# KiCad board Claculator_Display.kicad_pcb (continued)
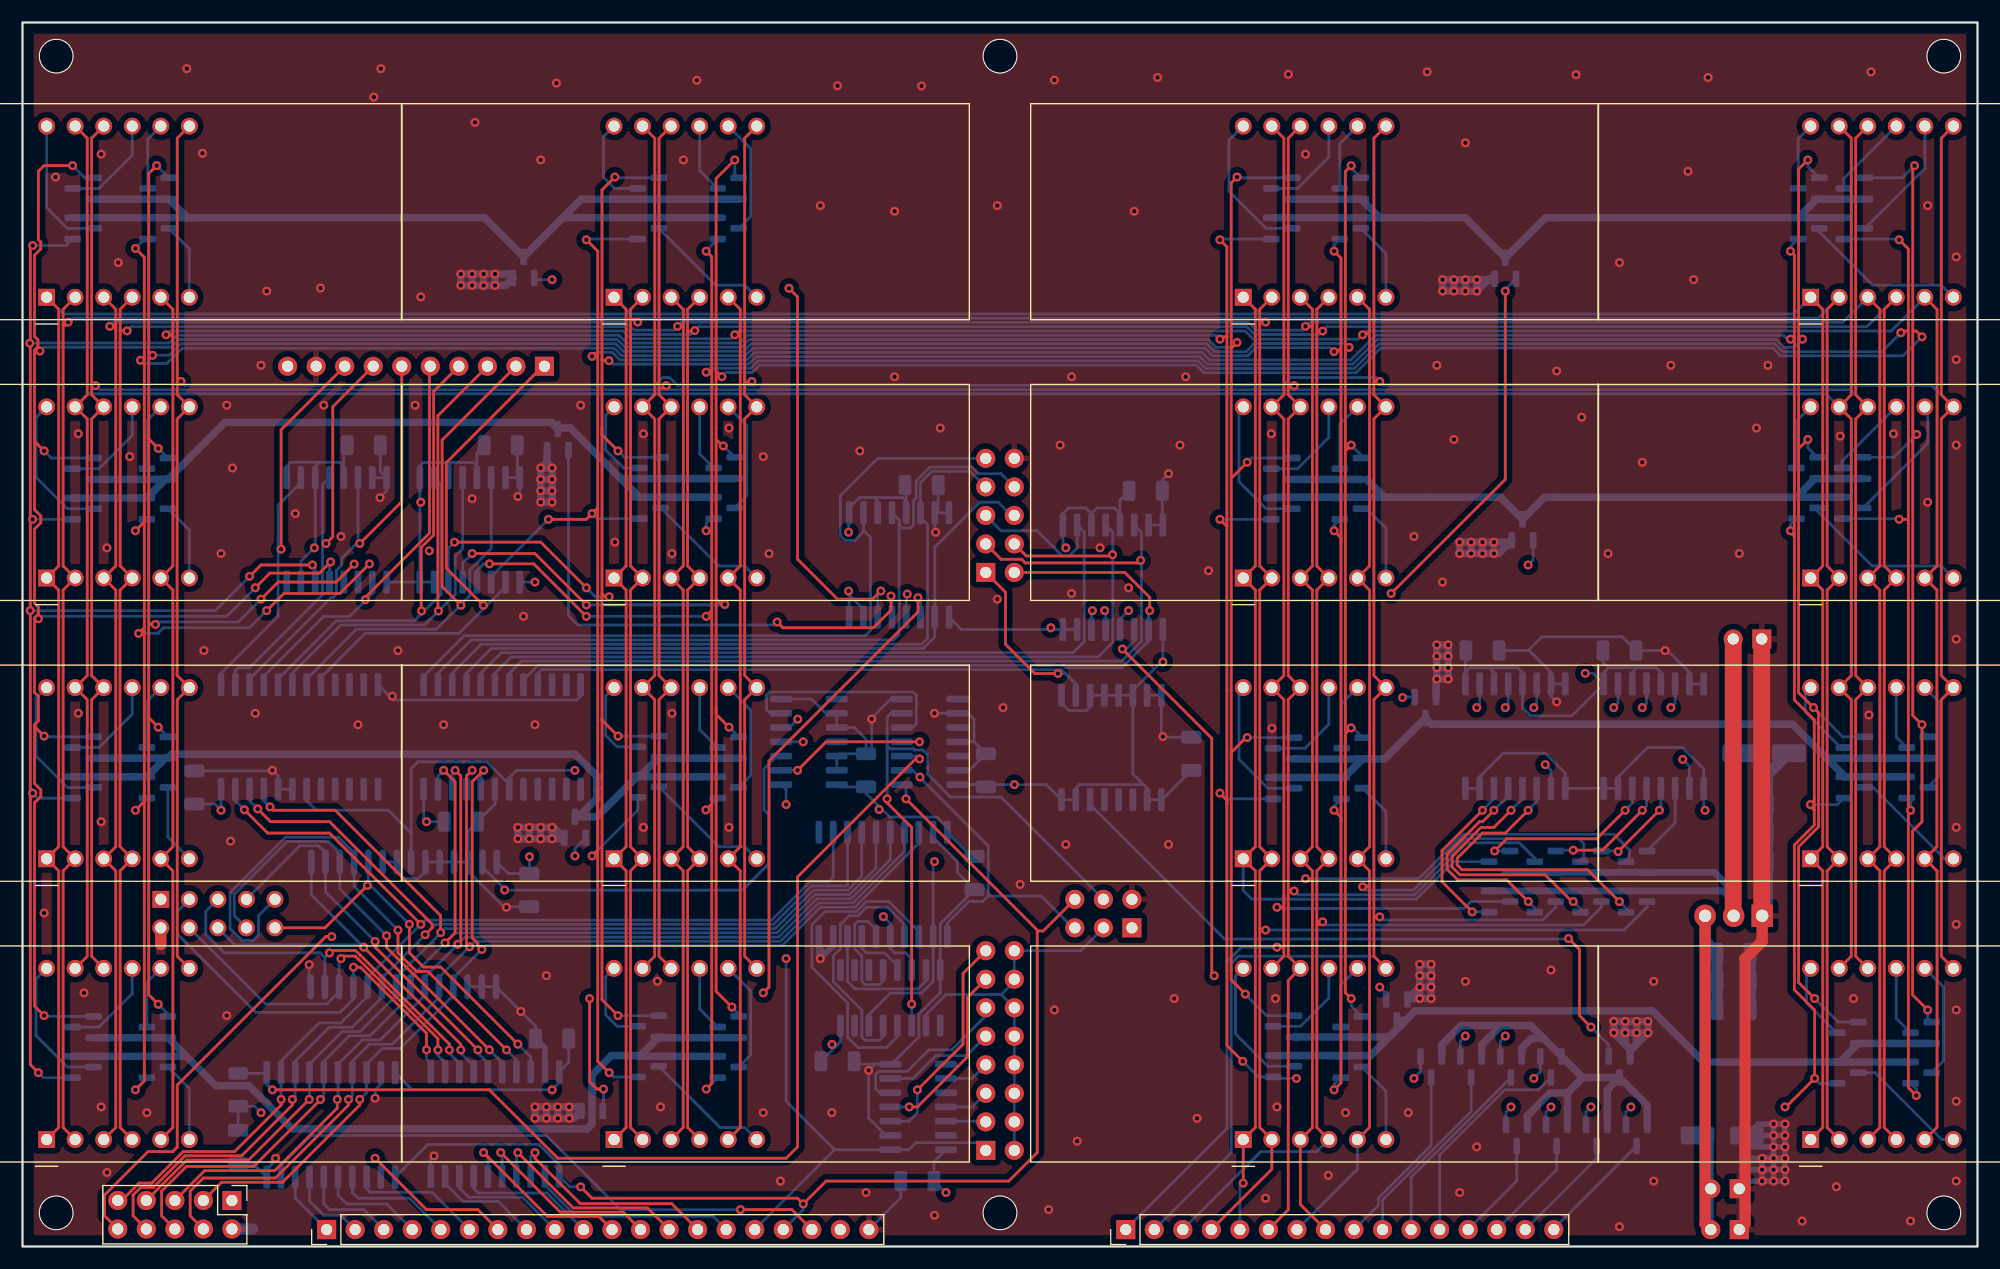
[diagram p0: board, top side]
## Nets (continued)
Net-(Q46-D): Q46.1 U25.6
Net-(Q47-D): Q47.1 U24.8
Net-(Q48-D): Q48.1 U25.8
Net-(Q49-D): Q49.1 U24.9
Net-(Q50-D): Q50.1 U25.9
Net-(Q51-D): Q51.1 U24.12
Net-(Q52-D): Q52.1 U25.12
Net-(Q54-D): Q54.1 U26.6
Net-(Q54-S): Q54.3 Q55.3 Q56.3 Q57.3 Q58.3 Q59.3 Q60.3 Q61.3 Q62.1
Net-(Q55-D): Q55.1 U27.6
Net-(Q56-D): Q56.1 U26.8
Net-(Q57-D): Q57.1 U27.8
Net-(Q58-D): Q58.1 U26.9
Net-(Q59-D): Q59.1 U27.9
Net-(Q60-D): Q60.1 U26.12
Net-(Q61-D): Q61.1 U27.12
Net-(Q63-D): Q63.1 U28.6
Net-(Q63-S): Q63.3 Q64.3 Q65.3 Q66.3 Q67.3 Q68.3 Q69.3 Q70.3 Q71.1
Net-(Q64-D): Q64.1 U29.6
Net-(Q65-D): Q65.1 U28.8
Net-(Q66-D): Q66.1 U29.8
Net-(Q67-D): Q67.1 U28.9
Net-(Q68-D): Q68.1 U29.9
Net-(Q69-D): Q69.1 U28.12
Net-(Q70-D): Q70.1 U29.12
Net-(Q72-D): Q72.1 U30.6
Net-(Q72-S): Q72.3 Q73.3 Q74.3 Q75.3 Q76.3 Q77.3 Q78.3 Q79.3 Q80.1
Net-(Q73-D): Q73.1 U31.6
Net-(Q74-D): Q74.1 U30.8
Net-(Q75-D): Q75.1 U31.8
Net-(Q76-D): Q76.1 U30.9
Net-(Q77-D): Q77.1 U31.9
Net-(Q78-D): Q78.1 U30.12
Net-(Q79-D): Q79.1 U31.12
Net-(Q81-S): Q81.3 Q82.3 Q83.3 Q84.3 Q85.3 Q86.3 Q87.3 Q88.3 Q89.1
Net-(U1-Y7): R1.1 U1.11 U3.3
Net-(U3-Pad4): U3.4 U4.2
Net-(U3-Pad5): U3.5 U4.6
Net-(U6-A0): U4.4 U6.2 U7.14
Net-(U6-A1): U6.3 U7.12
Net-(U6-A2): U6.4 U7.13
Net-(U6-A3): U4.5 U6.5 U7.6
Net-(U6-A4): U6.6 U7.4
Net-(U6-A5): U6.7 U7.5
Net-(U6-A6): U6.8 U7.7
Net-(U8-Q0): J1.3 U8.12
Net-(U8-Q1): J1.5 U8.11
Net-(U8-Q2): J1.7 U8.9
Net-(U8-Q3): J1.9 U8.6
Net-(U8-Q4): J1.11 U8.5
Net-(U8-Q5): J1.13 U8.4
Net-(U8-Q6): J1.15 U8.3

Pads without a net: U3 8 10 12; U4 8 11; U6 11; U7 1 2 3 9 15; U8 8 10 13; U9 9 10 11 13 14 15 16 17; U10 10 11 13 14 15 16 17; U36 11 12 13

## Via types
v1: diameter 0.8, hole 0.4, Top to Bottom, 532 vias

## Routing (per net, layer and track width the routed paths; a pad name or vN(x,y) marks a point on that pad's centre or on a via; arc(x,y) is an arc through that point)
+3.3V: length 84.2
  Top w0.25: 152.25,29.49 U11.2
  Top w1.5: 152.25,54.1 152.25,29.49
  Bottom w0.25: 152.23,31.67 152.29,31.74 ; 152.23,33.33 152.29,33.26
  Bottom w0.6: 150.77,31.67 152.23,31.67 150.57,33.33 Q5.3 Q8.3 ; 150.77,31.67 Q1.3 ; 150.77,31.67 151.34,31.67 152.29,30.72
  Bottom w1: 152.29,32.75 U11.2 ; 152.29,32.75 152.29,33.26 ; 152.29,32.75 152.34,32.8 C4.1 152.34,43.47 C25.1
+5V: length 356.8
  Top w1: 150.25,1.51 149.75,2.01 U11.3
  In2.Cu w0.25: v1(45.13,34.71) 39.08,34.71 v1(35.96,37.83) 18.69,37.83 v1(17.67,38.85)
  In2.Cu w1: J3.1 20.52,4.1 ; J4.19 72.79,3.1 72.79,3.1 ; J2.1 12.31,32.39
  Bottom w0.25: 143.7,51.55 141.16,51.55 ; 143.7,51.55 145.39,51.55 145.81,51.13 U15.5 ; 143.7,51.55 143.27,51.13 U15.3 ; 141.16,51.55 140.66,52.05 C18.1 ; 141.16,51.55 140.73,51.13 140.73,50.1 ; 130.45,51.55 128.84,51.55 128.42,51.13 U14.1 128.42,53.02 C17.1 ; 130.45,51.55 130.53,51.55 130.96,51.13 U14.3 ; 130.45,51.55 133.07,51.55 133.5,51.13 U14.5 133.5,47.98 134.21,47.27 137.9,47.27 140.73,50.1 ; 75.02,66.69 74.49,66.69 73.58,65.77 U34.1 73.52,65.29 v1(73.52,63.6) ; 75.02,66.69 75.79,66.69 76.11,66.37 U34.3 ; 75.02,66.69 78.33,66.69 78.65,66.37 U34.5 78.65,67.69 C19.1 ; 38.23,69.82 37.9,69.49 U17.3 ; 38.23,69.82 35.69,69.82 35.36,69.49 U17.1 35.36,66.37 v1(35.45,66.28) 35.36,66.19 U17.16 ; 38.23,69.82 40.12,69.82 40.44,69.49 U17.5 40.44,70.71 41.09,71.36 ; C8.1 17.11,39.41 v1(17.67,38.85) U9.24 ; 99.77,41.14 98.83,42.08 U36.6 ; 99.77,41.14 94.07,41.14 93.74,40.81 U36.15 U36.16 91.13,41.13 v1(88.28,41.13) U3.14 85.54,41.13 85.74,40.93 ; 99.77,41.14 100.09,40.81 U36.10 U36.9 101.41,39.79 C21.1 ; C20.1 97.68,66.48 U35.5 97.68,65.27 97.18,65.77 95.64,65.77 95.14,65.27 ; 73.52,58.08 74.57,57.03 ; 73.52,58.08 73.58,58.03 U34.16 ; 73.52,58.08 v1(73.52,58.37) ; U36.6 98.83,49.52 101.36,52.06 v1(101.49,52.06) U35.9 ; U36.6 U36.3 95.02,48.06 94.69,47.74 93.11,47.74 92.48,48.37 U36.1 ; U8.14 81.12,7.56 81.12,5.83 82.14,4.81 v1(82.19,4.81) ; U14.16 U14.15 129.69,41.83 131.79,43.93 135.54,43.93 137.31,42.16 U14.9 U15.15 142,41.83 143.6,43.42 143.66,43.42 143.66,43.48 144.61,44.44 147.73,44.44 149.62,42.54 U15.9 149.62,38.97 v1(149.75,38.85) ; v1(21.23,11.92) 20.66,12.49 R1.2 C11.1 ; U35.15 U35.16 91.67,54.95 v1(91.52,55.1) 91.37,54.95 83.56,54.95 U34.9 ; 72.56,18 C15.1 ; 72.56,18 72.79,18.22 U7.16 ; 72.56,18 v1(72.05,18) ; 84.73,34.73 84.47,34.73 U6.20 82.31,37.32 81.4,38.24 77.19,38.24 76.52,38.91 v1(76.24,38.91) 76.24,39.19 75.08,40.35 75.08,40.93 72.68,40.93 U4.14 ; U1.20 34.69,13.96 v1(47.14,13.96) 47.77,14.59 U2.20 48.61,16.4 C10.1 ; 140.73,50.1 139.8,51.04 v1(139.08,51.04) ; 26.4,69.84 26.05,69.49 U16.3 26.06,68.46 26.06,62.3 v1(25.97,62.22) 24.78,61.03 U16.15 U16.16 ; 26.4,69.84 28.25,69.84 28.59,69.49 U16.5 28.59,71.06 C22.1 ; 26.4,69.84 23.86,69.84 23.51,69.49 U16.1 ; v1(45.61,59.17) U17.9 ; 95.14,65.27 94.64,65.77 93.1,65.77 92.6,65.27 U35.1 92.6,62.47 v1(92.86,62.22) ; 95.14,65.27 U35.3 ; C7.1 v1(35.96,37.83) 35.71,38.09 U10.24 35.71,39.66 ; U17.16 U16.9 ; U17.16 U17.15 ; 149.43,9.54 C24.1 ; v1(45.13,34.71) 45.13,33.23 45.1,33.21 43.24,33.21 U5.28
  Bottom w1: 150.25,1.51 150.02,1.75 150.02,8.95 149.43,9.54 ; U11.3 149.75,27.21 C1.1 C3.1
GND: length 467.8
  Top w0.25: 154.79,29.49 U11.1
  Top w1: U11.1 154.83,27.16 153.31,25.64 153.31,2.02 J5.1 ; J2.2 12.31,26.89
  Top w1.5: J11.1 154.79,29.49
  Bottom w0.25: 77.36,16.24 79.78,18.66 79.78,20.7 81.68,22.59 U7.8 81.68,28.74 C16.2 83.2,33.31 83.2,34.28 81.05,36.43 U6.19 ; 77.36,16.24 U8.7 75.87,16.24 v1(75.31,15.68) 75.31,11.44 76.86,9.89 U8.2 ; 77.36,16.24 74.27,16.24 C15.2 ; U34.7 81.2,63.68 v1(81.27,63.6) ; U34.7 U34.8 ; U34.7 81.49,65.64 C19.2 ; v1(44.09,66.79) 44.25,66.95 U17.8 ; U5.20 U5.21 33.32,33.41 33.98,32.75 35.2,32.75 35.86,33.41 U5.23 U5.26 ; U17.8 U17.7 ; U17.8 44.04,68.68 C23.2 ; v1(136.54,48.5) 136.04,49.01 U14.7 ; 134,53.07 135.23,54.3 142.38,54.3 C18.2 v1(146.2,53.07) 146.41,53.07 148.35,51.13 U15.7 U15.8 ; 134,53.07 134.09,53.07 136.04,51.13 U14.7 ; 134,53.07 131.42,53.07 ; U5.26 39.67,37.02 C7.2 42.06,39.41 U10.19 ; U5.26 39.67,33.41 42.83,30.26 43.02,30.26 v1(43.07,30.21) 43.12,30.26 C9.2 ; U16.8 31.85,69.02 C22.2 ; U16.8 U16.7 ; U16.8 32.4,67.3 31.9,66.79 ; v1(102,68.82) 101.44,68.26 C20.2 101.44,64.3 U35.8 ; U14.7 U14.8 ; U3.7 77.28,48.75 75.58,47.06 v1(75.58,46.98) 75.58,44.39 C13.2 ; C8.2 22.2,42.35 v1(22.24,42.4) 22.75,41.9 U9.20 U9.19 ; J4.20 78.17,4.35 C14.2 ; 84.68,44.94 84.68,46.98 84.18,47.48 U3.9 v1(81.17,47.48) ; 84.68,44.94 C12.2 84.27,42.4 U3.13 ; 84.68,44.94 U3.11 ; C13.2 72.68,43.88 U4.12 U4.13 ; C13.2 75.08,45.16 74.02,46.21 U4.10 U4.9 71.5,47.48 70.23,48.75 U4.7 ; 45.66,18.53 45.66,19.63 v1(44.36,20.94) U5.1 U5.3 ; U11.1 155.09,29.45 155.34,29.7 155.29,29.75 ; v1(25.52,25.1) 25.52,23.26 U5.14 ; U1.19 31.9,14.46 31.39,13.95 v1(31.39,13.21) ; U2.10 36.34,7.79 v1(36.62,8.07) ; 153.31,9.72 C24.2 ; 101.56,64.18 U35.8 ; U35.8 U35.7 ; 154.78,27.16 154.83,27.16 ; v1(22.52,7.86) 22.52,7.63 21.74,6.84 U1.10 20.52,7.4 19.2,7.4 ; U36.7 U36.8 101.36,45.58 101.59,45.35 C21.2 ; U9.12 32.66,49.01 v1(32.91,49.01) 32.91,48.75 32.99,48.67 49.35,48.67 49.68,49 U10.12 ; 70.89,25.77 v1(71.01,25.64)
  Bottom w0.5: v1(156.86,9.89) v1(156.86,10.91) v1(155.85,10.91) ; v1(156.86,9.89) v1(156.86,8.88) ; v1(156.86,9.89) v1(155.85,9.89) ; v1(155.85,9.89) C24.2 154.49,10.91 v1(155.85,10.91) ; v1(155.85,9.89) v1(155.85,10.91) ; v1(155.85,9.89) v1(155.85,8.88) ; 70.89,26.6 71.36,26.12 71.5,26.12 ; 70.89,26.6 U6.10 ; 70.89,26.6 70.89,25.77 ; v1(155.85,7.86) v1(154.83,7.86) ; v1(155.85,7.86) v1(156.86,7.86) ; v1(155.85,7.86) v1(155.85,8.88) ; v1(155.85,7.86) v1(155.85,6.84) ; v1(154.83,7.86) v1(154.83,6.84) ; v1(154.83,7.86) 153.31,7.86 ; v1(155.85,8.88) 153.31,8.88 ; v1(155.85,8.88) v1(156.86,8.88) ; v1(154.83,6.84) 153.31,6.84 ; v1(154.83,6.84) v1(154.83,5.83) ; v1(154.83,6.84) v1(155.85,6.84) ; 71.5,26.12 v1(71.01,25.64) ; 71.5,26.12 72.15,26.78 U6.9 ; v1(156.86,8.88) v1(156.86,7.86) ; v1(156.86,7.86) v1(156.86,6.84) ; v1(156.86,6.84) v1(156.86,5.83) v1(155.85,5.83) ; v1(156.86,6.84) v1(155.85,6.84) ; v1(155.85,6.84) v1(155.85,5.83) ; 45.66,18.53 46.5,17.69 U2.19 ; v1(155.85,5.83) v1(154.83,5.83) ; v1(154.83,5.83) 153.31,5.83
  Bottom w0.67: v1(47.14,68.31) v1(46.12,68.31) ; v1(47.14,68.31) v1(47.14,67.3) ; v1(47.14,68.31) v1(47.14,69.33) ; v1(46.12,68.31) v1(46.12,67.3) ; v1(46.12,68.31) v1(46.12,69.33) ; v1(129.43,85.08) v1(128.42,85.08) ; v1(129.43,85.08) 130.53,86.17 Q53.3 130.94,86.09 v1(129.43,86.09) ; v1(129.43,85.08) v1(129.43,86.09) ; v1(128.42,85.08) v1(127.4,85.08) ; v1(128.42,85.08) v1(128.42,86.09) ; v1(124.35,22.08) v1(124.35,23.1) ; v1(124.35,22.08) v1(125.37,22.08) v1(125.37,23.1) ; v1(124.35,22.08) 123.35,22.08 Q80.3 124.35,23.09 v1(124.35,23.1) ; v1(124.35,22.08) 124.29,22.02 ; v1(124.35,23.1) v1(125.37,23.1) ; v1(124.35,23.1) v1(124.35,24.12) ; v1(142.64,20.05) v1(141.62,20.05) v1(141.62,19.04) ; v1(142.64,20.05) v1(142.64,19.04) ; v1(142.64,20.05) v1(143.66,20.05) ; v1(41.04,86.6) v1(40.02,86.6) ; v1(41.04,86.6) v1(41.04,85.58) ; v1(41.04,86.6) v1(42.06,86.6) ; v1(40.02,86.6) v1(40.02,85.58) ; v1(40.02,86.6) v1(39.01,86.6) v1(39.01,85.58) v1(40.02,85.58) ; v1(144.67,19.04) v1(144.67,20.05) v1(143.66,20.05) ; v1(144.67,19.04) 143.4,17.77 ; v1(144.67,19.04) v1(143.66,19.04) ; v1(125.37,24.12) v1(125.37,23.1) ; v1(125.37,24.12) v1(124.35,24.12) ; v1(125.37,24.12) v1(125.37,25.13) v1(124.35,25.13) v1(124.35,24.12) ; v1(128.92,62.72) v1(127.91,62.72) v1(127.91,61.71) v1(128.92,61.71) ; v1(128.92,62.72) v1(128.92,61.71) ; v1(128.92,62.72) v1(129.94,62.72) ; 143.08,17.58 Q89.3 143.08,17.45 143.4,17.77 ; 143.08,17.58 v1(141.62,19.04) ; 143.08,17.58 142.64,18.02 v1(142.64,19.04) ; v1(126.89,51.55) v1(126.89,52.56) ; v1(126.89,51.55) v1(125.88,51.55) ; v1(126.89,51.55) v1(126.89,50.53) v1(125.88,50.53) ; v1(126.89,52.56) v1(126.89,53.58) v1(125.88,53.58) v1(125.88,52.56) ; v1(126.89,52.56) v1(125.88,52.56) ; v1(41.04,85.58) v1(42.06,85.58) ; v1(41.04,85.58) v1(40.02,85.58) ; v1(42.06,85.58) v1(42.06,86.6) ; v1(42.06,85.58) 42.98,85.58 Q18.3 43.3,86.6 v1(42.06,86.6) ; v1(142.64,19.04) v1(143.66,19.04) ; v1(142.64,19.04) v1(141.62,19.04) ; v1(143.66,19.04) v1(143.66,20.05) ; v1(143.66,19.04) 143.66,18.02 143.4,17.77 ; v1(47.64,12.43) v1(46.63,12.43) ; v1(47.64,12.43) v1(48.66,12.43) ; v1(47.64,12.43) v1(47.64,11.42) ; v1(46.63,12.43) v1(46.63,11.42) ; v1(46.63,12.43) v1(45.61,12.43) v1(45.61,11.42) v1(46.63,11.42) ; v1(125.88,50.53) v1(125.88,51.55) ; v1(125.88,50.53) 125.81,50.47 Q71.3 ; 46.69,69.9 46.69,69.77 v1(47.14,69.33) ; 46.69,69.9 Q26.3 ; 46.69,69.9 v1(46.12,69.33) ; v1(46.12,66.28) 46.12,66.79 ; v1(46.12,66.28) v1(46.12,67.3) ; v1(46.12,66.28) v1(47.14,66.28) v1(47.14,67.3) ; v1(46.12,36.31) v1(46.12,37.32) ; v1(46.12,36.31) v1(47.14,36.31) ; v1(46.12,36.31) v1(45.1,36.31) ; v1(128.42,86.09) v1(127.4,86.09) ; v1(128.42,86.09) v1(129.43,86.09) ; v1(127.4,86.09) v1(127.4,85.08) ; v1(127.4,86.09) v1(126.38,86.09) v1(126.38,85.08) ; 126.89,85.08 v1(126.38,85.08) ; v1(126.38,85.08) v1(127.4,85.08) ; v1(129.94,61.71) v1(130.96,61.71) ; v1(129.94,61.71) v1(128.92,61.71) ; v1(129.94,61.71) v1(129.94,62.72) ; v1(125.88,51.55) v1(125.88,52.56) ; v1(47.14,67.3) v1(46.12,67.3) ; v1(45.1,37.32) v1(45.1,36.31) ; v1(45.1,36.31) v1(44.09,36.31) v1(44.09,37.32) v1(47.14,37.32) ; v1(130.96,61.71) 131.37,61.71 Q62.3 132.39,62.72 v1(130.96,62.72) ; v1(130.96,61.71) v1(130.96,62.72) ; v1(48.66,12.43) v1(48.66,11.42) ; v1(48.66,12.43) 49.39,12.43 Q44.3 49.08,11.42 v1(48.66,11.42) ; v1(48.66,11.42) v1(47.64,11.42) ; v1(47.64,11.42) v1(46.63,11.42) ; v1(130.96,62.72) v1(129.94,62.72) ; v1(47.14,36.31) 48.14,36.31 Q35.3 47.28,37.32 v1(47.14,37.32) ; v1(47.14,36.31) v1(47.14,37.32) ; v1(47.14,69.33) v1(46.12,69.33)
  Bottom w1: 153.31,9.72 153.31,2.02 J5.1 ; 154.83,27.16 U11.1 ; C3.2 C1.2 154.78,27.16 ; C25.2 155.29,42.02 C4.2 155.29,29.75 ; J3.2 20.48,1.56
  vias: v1(1.92,29.7) v1(2.94,95.24) v1(4.97,72.38) v1(4.97,47.48) v1(5.48,22.59) v1(7,97.27) v1(7,37.83) v1(7,12.43) v1(7.51,62.22) v1(7.52,6.6) v1(8.53,87.62) v1(9.54,70.34) v1(11.07,11.92) v1(14.62,104.89) v1(16.02,97.35) v1(16.15,53.07) v1(17.67,61.71) v1(18.18,74.92) v1(18.18,20.56) v1(18.52,36.1) v1(18.69,69.33) v1(20.72,47.48) v1(21.23,78.47) v1(21.74,85.08) v1(24.28,65.26) v1(26.52,85.35) v1(26.82,74.92) v1(28.34,63.23) v1(29.86,46.47) v1(31.27,102.35) v1(31.83,66.68) v1(31.9,104.89) v1(33.42,53.07) v1(34.94,74.92) v1(35.45,84.57) v1(36.21,61.95) v1(37.48,46.47) v1(40.02,66.6) v1(40.27,100.1) v1(44.6,56.12) v1(45.61,46.47) v1(46.12,96.76) v1(46.63,24.12) v1(47.52,103.6) v1(49.68,74.92) v1(52.72,62.72) v1(55.26,72.38) v1(55.26,37.32) v1(56.51,23.63) v1(56.79,12.43) v1(57.8,61.71) v1(57.8,47.48) v1(58.82,96.76) v1(60.02,103.85) v1(62.88,72.88) v1(62.88,37.32) v1(65.93,70.34) v1(65.93,11.92) v1(66.44,61.71) v1(67.46,5.83) v1(71.01,92.7) v1(72.03,11.92) v1(72.54,103.36) v1(74.52,70.85) v1(75.08,4.81) v1(77.62,92.19) v1(77.62,77.46) v1(80.02,103.35) v1(81.17,2.78) v1(81.68,72.88) v1(86.76,92.7) v1(86.76,57.64) v1(87.27,47.99) v1(88.79,32.24) v1(91.33,3.29) v1(91.84,103.87) v1(91.84,21.07) v1(92.35,71.36) v1(92.86,35.8) v1(93.36,77.46) v1(93.36,58.15) v1(93.87,9.38) v1(95.9,62.22) v1(98.44,58.66) v1(98.95,92.19) v1(101.02,104.1) v1(101.5,45.41) v1(102,35.8) v1(102.51,22.08) v1(103.02,71.36) v1(103.52,77.46) v1(104.54,11.42) v1(105.56,60.18) v1(110.64,4.3) v1(111.14,72.38) v1(111.2,46.15) v1(111.51,22.09) v1(111.65,12.43) v1(112.67,104.38) v1(114.19,97.27) v1(116.22,6.34) v1(117.75,11.92) v1(123.34,11.92) v1(123.84,63.23) v1(125.02,104.6) v1(125.88,78.47) v1(126.38,59.17) v1(127.4,71.87) v1(127.91,4.81) v1(128.42,98.28) v1(128.42,23.61) v1(129.43,8.88) v1(136.04,24.62) v1(136.54,77.96) v1(138.27,104.35) v1(138.77,73.85) v1(141.12,61.71) v1(142.13,87.62) v1(142.13,1.76) v1(144.16,69.84) v1(145.18,23.61) v1(145.18,5.83) v1(146.7,78.47) v1(148.23,95.74) v1(148.74,86.09) v1(150.02,104.1) v1(152.8,61.71) v1(154.32,72.88) v1(155.34,78.47) v1(158.39,2.27) v1(161.44,5.32) v1(161.78,72.16) v1(162.96,22.08) v1(164.34,47.34) v1(164.52,104.6) v1(166.52,72.38) v1(168.04,2.27) v1(169.56,92.7) v1(169.56,66.28) v1(172.1,88.12) v1(172.1,78.98) v1(172.1,71.36) v1(172.1,54.09) v1(172.1,37.32) v1(172.1,28.69) v1(172.1,21.07) v1(172.1,12.94) v1(172.1,5.83)
/Displays/Display Module1/DISP_SEL: length 47.9
  Top w0.25: v1(67.16,55.61) 67.67,55.1 75.74,55.1 77.3,56.66 v1(77.3,57.92)
  Bottom w0.25: v1(67.16,55.61) 66.91,55.35 49.43,55.35 48.59,56.19 Q26.2 ; U34.13 77.39,57.83 v1(77.3,57.92)
/Displays/Display Module2/DISP_SEL: length 52.6
  In2.Cu w0.25: v1(49.17,34.78) 48.44,35.51 48.44,47.27 59.63,58.45 65.8,58.45 66.44,59.1 77.74,59.1 v1(78.74,58.1)
  Bottom w0.25: U34.12 78.65,58.01 v1(78.74,58.1) ; 50.2,36.31 Q35.2 49.17,35.44 v1(49.17,34.78)
/Displays/Display Module3/DISP_SEL: length 69.3
  Top w0.25: v1(51.71,14.02) 51.13,14.02 50.47,14.68 v1(50.47,22.08) ; v1(79.7,57.77) 79.7,56.51 66.44,43.25 66.44,23.1 v1(65.93,22.59)
  In2.Cu w0.25: v1(65.93,22.59) 50.99,22.59 v1(50.47,22.08)
  Bottom w0.25: v1(51.71,14.02) 51.71,12.15 Q44.2 ; U34.11 79.92,57.55 v1(79.7,57.77)
/Displays/Display Module4/DISP_SEL: length 61.6
  Top w0.25: v1(121.81,58.15) 131.97,68.31 v1(131.97,85.08)
  In2.Cu w0.25: v1(121.81,58.15) 121.35,57.69 96.29,57.69 v1(95.22,56.63)
  Bottom w0.25: v1(95.22,56.63) 95.14,56.55 U35.14 ; v1(131.97,85.08) 131.97,85.22 Q53.2
/Displays/Display Module5/DISP_SEL: length 43.5
  In2.Cu w0.25: v1(134,60.69) 130.67,57.35 97.04,57.35 v1(96.31,56.63)
  Bottom w0.25: U35.13 96.41,56.53 v1(96.31,56.63) ; Q62.2 134.45,61.13 v1(134,60.69)
/Displays/Display Module6/DISP_SEL: length 31
  In2.Cu w0.25: v1(98.44,56.63) 106.57,48.5 122.44,48.5 v1(122.83,48.89)
  Bottom w0.25: U35.12 97.68,55.87 v1(98.44,56.63) ; v1(122.83,48.89) 122.87,48.93 Q71.2
/Displays/Display Module7/DISP_SEL: length 51.3
  Top w0.25: v1(97.89,53.21) 105.85,45.25 105.85,24.33 v1(106.06,24.12)
  In2.Cu w0.25: v1(106.06,24.12) 106.97,23.21 120.69,23.21 v1(120.8,23.1)
  Bottom w0.25: Q80.2 121.37,22.53 v1(120.8,23.1) ; v1(97.89,53.21) 98.24,53.21 98.95,53.92 U35.11
/Displays/Display Module External/DISP_SEL: length 60.2
  Top w0.25: v1(137.6,27.43) 138.58,26.45 138.58,20.56 v1(139.59,19.54)
  Bottom w0.25: v1(139.59,19.54) 141.18,17.95 Q89.2 ; 137.34,27.38 137.36,27.38 137.56,27.4 v1(137.6,27.43) 137.32,27.38 106.99,27.38 95.02,39.35 U36.14
/Displays/Display Module/DISP_SEL: length 59.1
  Top w0.25: v1(76.39,58.38) 75.66,57.64 72.54,57.64 68.98,61.2 68.98,84.57 v1(68.22,85.33)
  In2.Cu w0.25: v1(68.22,85.33) 67.46,86.09 v1(47.14,86.09)
  Bottom w0.25: Q18.2 45.7,86.09 v1(47.14,86.09) ; v1(76.39,58.38) 76.11,58.1 U34.14
A0: length 5.8
  Bottom w0.25: J4.1 24.28,4.3 U1.8
A1: length 7.2
  Bottom w0.25: U1.7 25.55,4.05 26.82,2.78 28.34,2.78 J4.2
A2: length 8.7
  Bottom w0.25: U1.6 26.82,3.8 27.32,3.29 30.37,3.29 J4.3
A3: length 9.5
  Bottom w0.25: J4.4 32.4,3.8 28.85,3.8 28.09,4.56 U1.5
A4: length 10.6
  Bottom w0.25: U1.4 29.36,4.81 29.86,4.3 34.44,4.3 J4.5
A5: length 11.7
  Bottom w0.25: U1.3 30.63,5.16 30.95,4.83 36.45,4.83 J4.6
A6: length 15.4
  Top w0.25: J4.7 40.53,3.29 35.96,3.29 v1(31.39,7.86)
  Bottom w0.25: U1.2 31.9,7.35 v1(31.39,7.86)
CNTR_CLK: length 35.9
  Bottom w0.25: U7.10 80.41,20.65 82.2,22.44 87.1,22.44 ; 87.1,22.44 88.27,23.61 J1.16 94.17,26.34 J9.3 ; 87.1,22.44 J1.12 J1.2
D0: length 9.6
  Bottom w0.25: U2.9 37.61,5.62 39.22,4.01 42.35,4.01 J4.8
D1: length 11.1
  Bottom w0.25: U2.8 38.88,5.23 39.72,4.39 44.51,4.39 J4.9
D2: length 12.4
  Bottom w0.25: J4.10 46.67,4.77 40.58,4.77 40.15,5.19 U2.7
D3: length 16.5
  Top w0.25: v1(41.04,8.37) 46.72,2.69 51.3,2.69 J4.11
  Bottom w0.25: v1(41.04,8.37) 41.42,7.99 U2.6
D4: length 17.4
  Top w0.25: J4.12 53.46,3.06 47.87,3.06 v1(42.56,8.37)
  Bottom w0.25: v1(42.56,8.37) 42.69,8.24 U2.5
D5: length 18.5
  Top w0.25: J4.13 55.62,3.44 49.02,3.44 v1(44.09,8.37)
  Bottom w0.25: v1(44.09,8.37) 43.96,8.24 U2.4
D6: length 19.9
  Top w0.25: J4.14 57.78,3.82 49.66,3.82 45.61,7.86 v1(45.61,8.37)
  Bottom w0.25: U2.3 45.23,7.99 v1(45.61,8.37)
D7: length 18.6
  Bottom w0.25: J4.15 61.45,2.69 49.29,2.69 46.5,5.47 U2.2
DIG0b: length 40
  Top w0.25: v1(23.02,62.1) 23.02,72.73 J7.8
  Bottom w0.25: U16.2 24.78,68.04 22.75,66.01 22.75,56.13 17.67,51.05 U9.1
DIG1b: length 40
  Top w0.25: v1(27.02,62.6) 27.61,63.19 27.61,74.78 J7.7
  Bottom w0.25: U9.2 18.94,51.29 19.2,51.55 20.21,51.55 26.7,58.03 26.7,67.84 U16.4
DIG2b: length 39.9
  Top w0.25: J7.6 33.76,66.34 v1(30.02,62.6)
  Bottom w0.25: U16.6 29.86,62.72 28.38,61.24 28.38,60.65 27.95,60.22 27.95,58.09 27.67,57.82 27.5,57.82 20.21,50.53 U9.3
DIG3b: length 37.7
  Top w0.25: J7.5 36.22,78.31 36.22,63.51 30.52,57.82 v1(30.52,57.6)
  Bottom w0.25: U9.4 21.48,50.79 26.8,56.1 29.09,56.1 31.13,58.14 U16.10
DIG4b: length 52
  Top w0.25: v1(35.52,56.6) 35.48,56.64 35.48,62.25 36.59,63.36 36.59,76.14 J7.4
  Bottom w0.25: U17.2 37.26,67.84 37.26,58.09 34.89,55.73 27.95,55.73 22.75,50.53 U9.5
DIG5b: length 52.7
  Top w0.25: J7.3 36.97,73.98 36.97,56.6
  Bottom w0.25: U17.4 39.17,62.14 38.53,61.49 38.53,58.09 37.04,56.6 v1(37.02,56.6) 37.02,56.58 35.79,55.35 28.32,55.35 24.02,51.05 U9.6
DIG6b: length 54.1
  Top w0.25: J7.2 37.35,71.82 37.35,58.77 v1(39.02,57.1)
  Bottom w0.25: U17.6 41.71,62.14 39.82,60.24 39.82,57.95 36.84,54.97 29.73,54.97 25.29,50.53 U9.7
DIG7b: length 47.2
  Top w0.25: v1(41.02,57.1) 37.72,60.4 37.72,69.8 46.31,78.39 J7.1
  Bottom w0.25: U9.8 26.56,50.67 30.49,54.6 38.84,54.6 42.98,58.74 U17.10
DIG_0: length 333
  Top w0.25: 107.2,64.13 107.2,39.36 ; 107.2,64.13 v1(106.57,64.76) ; 107.2,64.13 107.2,81.01 ; v1(1.42,15.48) 0.7,16.2 0.7,56.62 v1(0.69,56.63) 0.7,56.63 0.7,88.93 v1(0.91,89.14) ; 107.2,81.01 106.79,81.01 v1(106.57,80.8) ; 107.2,81.01 107.2,89.02 v1(106.57,89.65) ; v1(108.6,16.5) 107.2,17.9 107.2,39.36 ; v1(25.8,60.69) 21.23,60.69 v1(20.21,59.68) ; 107.2,39.36 107.2,39.75 v1(106.57,40.37)
  In2.Cu w0.25: v1(113.38,14.97) v1(123.84,14.97)
  Bottom w0.25: v1(25.8,60.69) 26.05,60.44 U16.14 ; v1(20.21,59.68) 17.16,56.63 v1(0.69,56.63) ; Q33.2 1.35,39.93 v1(0.91,40.37) ; v1(108.6,16.5) 110,15.1 Q78.2 111.43,14.97 v1(113.38,14.97) ; v1(123.84,14.97) 124.42,15.55 Q87.2 ; v1(106.57,80.8) 106.22,81.14 64.54,81.14 63.86,80.46 53.78,80.46 53.1,81.14 13.76,81.14 13.08,80.46 0.68,80.46 v1(0.65,80.44) 0.63,80.46 0.44,80.46 0.42,80.48 0.42,80.5 ; Q42.2 1.86,15.04 v1(1.42,15.48) ; Q24.2 v1(0.91,64.76) ; Q12.2 3.89,89.14 v1(0.91,89.14) ; Q69.2 107.08,39.86 v1(106.57,40.37) ; v1(106.57,64.76) Q60.2 ; v1(106.57,89.65) 106.64,89.71 Q51.2
DIG_1: length 359
  Top w0.25: 107.58,79.98 v1(108.1,80.5) ; 107.58,79.98 107.58,94.72 v1(108.1,95.24) ; 107.58,79.98 107.58,68.41 ; v1(4.46,96.25) 1.92,96.25 1.42,95.74 1.42,89.66 1.63,89.44 1.63,88.84 1.08,88.28 1.08,81.04 1.38,80.74 1.38,80.14 ; 107.58,44 107.58,68.41 ; 107.58,44 108.89,45.32 v1(109,45.32) ; 107.58,44 107.58,43.42 ; 107.58,43.42 107.58,23.74 v1(108.83,22.48) ; 107.58,43.42 107.58,44.18 ; v1(1.92,45.45) 1.08,46.3 1.08,46.47 ; v1(1.92,20.56) 1.08,21.41 1.08,39.52 1.2,39.65 1.21,39.65 1.63,40.07 1.63,40.67 1.08,41.23 1.08,46.47 ; 1.38,80.14 1.55,79.96 v1(1.55,79.74) ; 1.38,80.14 1.08,79.84 1.08,72.38 ; v1(27.42,60.96) 26.43,59.97 22.03,59.97 v1(20.72,58.66) ; 1.08,46.47 1.42,46.81 1.42,48.98 1.08,49.32 1.08,55.99 1.42,56.33 1.42,56.93 1.08,57.27 1.08,63.9 1.63,64.46 1.63,65.06 1.08,65.61 1.08,72.38 ; 107.58,68.41 v1(109,69.84) ; 1.08,72.38 1.08,71.7 v1(1.92,70.85)
  In2.Cu w0.25: v1(128.42,18.74) 128.12,19.04 112.28,19.04 v1(108.83,22.48)
  Bottom w0.25: v1(109,45.32) Q67.2 ; v1(20.72,58.66) 18.18,56.12 1.64,56.12 v1(1.42,55.9) ; Q40.2 1.99,20.49 v1(1.92,20.56) ; v1(128.42,18.74) 127.97,18.3 Q85.2 ; Q11.2 5.55,95.17 v1(4.46,96.25) ; U16.13 27.32,60.86 v1(27.42,60.96) ; v1(1.92,45.45) 1.99,45.39 Q31.2 ; v1(108.1,80.5) 107.66,80.07 106.25,80.07 105.56,80.77 64.7,80.77 64.02,80.09 53.62,80.09 52.94,80.77 13.92,80.77 13.24,80.09 1.9,80.09 v1(1.55,79.74) ; Q49.2 108.16,95.17 v1(108.1,95.24) ; 108.79,22.49 108.8,22.48 v1(108.83,22.48) 108.83,22.45 110.72,20.56 Q76.2 ; v1(109,69.84) 109.38,70.21 Q58.2 ; Q22.2 2.56,70.21 v1(1.92,70.85)
DIG_2: length 317.3
  Top w0.25: 11.23,55.61 11.45,55.4 v1(11.83,55.4) ; 11.23,55.61 11.23,47.48 ; 11.23,55.61 11.23,72.88 ; 11.23,47.48 11.23,47.09 v1(12.08,46.24) ; 11.23,47.48 11.23,22.42 v1(12.08,21.58) ; 117.73,80 117.73,70.84 ; 117.73,80 117.99,80 v1(118.07,80.07) ; 117.73,80 117.73,95.73 v1(118.26,96.25) ; 117.73,70.84 v1(118.26,71.36) ; 117.73,70.84 117.73,50.04 117.75,50.02 117.73,50.01 117.73,44.94 ; v1(29.52,60.77) 27.92,59.17 22.75,59.17 v1(21.23,57.64) ; 11.23,79.02 11.23,79.7 ; 11.23,79.02 11.23,72.88 ; 11.23,79.02 v1(11.58,79.36) 11.23,79.7 ; 11.23,79.7 11.23,95.55 v1(11.94,96.25) ; 11.23,72.88 11.23,71.92 v1(12.08,71.07) ; 117.73,44.94 117.73,33.78 117.75,33.77 117.73,33.75 117.73,22.6 v1(118.26,22.08) ; 117.73,44.94 117.73,45.67 v1(118.25,46.18)
  In2.Cu w0.25: v1(118.26,22.08) 120.58,19.76 130.96,19.76 v1(131.97,18.74)
  Bottom w0.25: v1(12.08,46.24) Q29.2 ; Q38.2 12.94,20.72 v1(12.08,21.58) ; v1(118.07,80.07) 117.72,80.42 109.62,80.42 108.9,79.69 106.1,79.69 105.4,80.39 64.85,80.39 64.17,79.71 53.47,79.71 52.79,80.39 14.07,80.39 13.04,79.36 v1(11.58,79.36) ; v1(118.26,71.36) 119.4,70.21 119.62,70.21 ; v1(11.83,55.4) 12.05,55.61 19.2,55.61 v1(21.23,57.64) ; Q83.2 131.53,18.3 v1(131.97,18.74) ; v1(11.94,96.25) Q10.2 ; 118.29,46.19 118.28,46.19 v1(118.25,46.18) 118.29,46.19 118.4,46.19 Q65.2 ; v1(118.26,22.08) 118.26,21.43 Q74.2 ; Q47.2 118.26,96.03 v1(118.26,96.25) ; 29.52,60.85 v1(29.52,60.77) 28.59,59.85 U16.12 ; v1(12.08,71.07) Q20.2
DIG_3: length 324.5
  Top w0.25: v1(21.74,56.63) 23.26,58.15 28.24,58.15 v1(30.88,60.79) ; 117.34,37.83 117.34,38.23 v1(116.73,38.85) ; 117.34,37.83 117.34,14.57 v1(116.73,13.96) ; 117.34,37.83 117.34,62.72 ; v1(10.05,13.96) 10.84,14.75 10.84,40.73 ; v1(10.05,88.88) 10.84,88.09 10.84,79.26 ; v1(10.05,63.74) 10.84,64.53 10.84,65.26 ; 10.84,79.26 v1(10.5,78.91) 10.84,78.57 ; 10.84,79.26 10.84,78.57 ; 10.84,65.26 10.84,55.1 ; 10.84,65.26 10.84,78.57 ; 10.84,55.1 v1(10.34,54.6) ; 10.84,55.1 10.84,40.73 ; v1(116.73,79.69) 117.04,79.69 117.34,80 ; v1(116.73,63.74) 117.34,63.13 117.34,62.72 ; 117.34,62.72 117.34,80 ; 117.34,80 117.34,88.02 v1(116.73,88.63) ; 10.84,40.73 10.84,39.64 v1(10.05,38.85)
  In2.Cu w0.25: v1(134.51,14.97) 133.5,13.96 v1(116.73,13.96)
  Bottom w0.25: v1(30.88,60.79) 29.86,59.77 U16.11 ; v1(116.73,79.69) 116.38,80.04 109.78,80.04 109.05,79.32 105.94,79.32 105.26,80 64.99,80 64.33,79.33 53.31,79.33 52.65,80 14.21,80 12.85,78.64 10.78,78.64 v1(10.5,78.91) ; v1(10.05,88.88) 10.89,89.71 Q9.2 ; v1(134.51,14.97) 135.09,15.55 Q81.2 ; Q36.2 11.07,14.97 v1(10.05,13.96) ; v1(10.05,38.85) 11.07,39.86 Q27.2 ; v1(116.73,38.85) 116.73,39.2 Q63.2 ; v1(116.73,13.96) 116.73,14.45 Q72.2 ; Q45.2 116.73,89.21 v1(116.73,88.63) ; v1(10.34,54.6) 12.06,54.6 12.57,55.1 20.21,55.1 v1(21.74,56.63) ; v1(116.73,63.74) 116.73,64.25 Q54.2 ; Q13.2 v1(10.05,63.74)
DIG_4: length 351.1
  Top w0.25: v1(52.72,95.24) 51.58,94.09 51.58,78.98 ; v1(38.45,62.72) 46.12,62.72 v1(50.18,58.66) ; v1(158.9,96.76) 158.07,95.94 158.07,81.01 ; 51.58,46.98 51.58,21.99 v1(53,20.56) ; 51.58,46.98 51.58,46.88 v1(53,45.45) ; 51.58,46.98 51.58,58.15 ; 51.58,72.88 51.58,78.98 ; 51.58,72.88 51.58,72.28 v1(53,70.85) ; 51.58,72.88 51.58,58.15 ; 51.58,78.98 51.67,78.88 v1(52.2,78.88) ; v1(52.22,57.86) 51.87,57.86 51.58,58.15 ; 158.07,81.01 158.21,81.01 v1(158.42,80.8) ; 158.07,81.01 158.07,49.32 v1(159.4,47.99) 159.85,47.55 159.85,37.38 158.07,35.6 158.07,23.51 v1(159.5,22.08) ; v1(158.9,71.87) 158.07,71.05
  In2.Cu w0.25: v1(159.5,22.08) 153.91,16.5 139.08,16.5 135.75,13.16 135.74,13.16 135.31,12.73 135.31,12.72 135.02,12.43 v1(132.48,12.43)
  Bottom w0.25: Q70.2 162.01,45.39 v1(159.4,47.99) ; v1(158.42,80.8) 157.7,80.07 156.79,80.07 156.09,80.77 120.58,80.77 118.37,78.56 105.47,78.56 104.79,79.24 65.3,79.24 64.64,78.58 52.51,78.58 v1(52.2,78.88) ; v1(50.18,58.66) 50.98,57.86 v1(52.22,57.86) 52.22,57.86 52.32,57.96 ; v1(158.9,71.87) 158.9,71.14 Q61.2 ; Q79.2 161.6,19.99 v1(159.5,22.08) ; Q25.2 53.57,70.28 v1(53,70.85) ; v1(53,45.45) Q34.2 ; U17.14 37.9,62.18 v1(38.45,62.72) ; Q88.2 132.04,11.99 v1(132.48,12.43) ; Q17.2 52.79,95.17 v1(52.72,95.24) ; v1(53,20.56) Q43.2 ; v1(158.9,96.76) 158.9,96.19 Q52.2
DIG_5: length 354.8
  Top w0.25: 61.73,47.99 61.73,47.39 v1(62.88,46.24) ; 61.73,47.99 61.73,22.72 v1(63.14,21.32) ; 61.73,47.99 61.73,57.64 ; 168.23,71.49 168.23,71.96 v1(168.59,72.31) 168.23,72.67 ; 168.23,71.49 168.23,47.29 v1(169.06,46.47) 169.06,37.83 168.22,37 168.22,22.41 v1(169.56,21.07) ; 168.23,71.49 168.23,72.67 ; v1(62.51,57.18) 62.2,57.18 61.73,57.64 ; 168.23,81.52 168.23,96.07 168.39,96.22 v1(168.39,96.25) 168.42,96.25 168.29,96.12 ; 168.23,81.52 168.23,72.67 ; 168.23,81.52 168.55,81.52 v1(169.06,81.01) ; v1(63.39,96.76) 61.73,95.1 61.73,77.96 ; 61.73,57.64 61.73,71.87 ; 61.73,71.87 61.73,77.96 ; 61.73,71.87 62.31,71.29 v1(62.38,71.29) ; 61.73,77.96 v1(62.24,77.46) ; v1(50.18,57.14) 45.61,61.71 v1(40.02,61.71)
  In2.Cu w0.25: v1(169.56,21.07) 164.48,15.99 139.59,15.99 v1(136.04,12.43)
  Bottom w0.25: v1(50.18,57.14) 62.38,57.14 ; v1(168.59,72.31) 166.55,70.28 Q59.2 ; v1(169.06,46.47) 169.06,45.89 Q68.2 ; v1(169.56,21.07) 169.56,20.34 Q77.2 ; U17.13 39.17,60.86 v1(40.02,61.71) ; 62.88,46.47 v1(62.88,46.24) Q32.2 ; Q16.2 63.39,95.52 v1(63.39,96.76) ; Q86.2 135.59,11.99 v1(136.04,12.43) ; Q23.2 v1(62.38,71.29) ; Q41.2 63.74,20.72 v1(63.14,21.32) ; v1(62.24,77.46) 62.61,77.82 64.95,77.82 65.62,78.49 104.47,78.49 105.15,77.81 118.68,77.81 120.89,80.01 155.78,80.01 156.48,79.32 167.36,79.32 v1(169.06,81.01) ; Q50.2 167.32,95.17 v1(168.39,96.25)
DIG_6: length 338.4
  Top w0.25: 167.28,81.27 v1(167.17,81.37) 167.32,81.52 167.84,81.52 ; 61.34,77.96 61.34,88.14 v1(60.85,88.63) ; 61.34,77.96 61.34,63.72 ; 61.34,77.96 61.34,77.95 61.25,77.85 v1(60.85,77.85) ; 167.84,81.52 167.84,88.83 v1(167.02,89.65) ; 167.84,81.52 167.84,64.76 ; 61.34,56.63 61.34,63.72 ; 61.34,56.63 60.85,56.13 v1(60.85,56.12) ; 61.34,56.63 61.34,39.36 ; 61.34,63.72 61.33,63.74 v1(60.85,63.74) ; v1(50.18,56.12) 49.89,56.41 49.88,56.41 45.5,60.79 v1(41.56,60.79) ; 167.84,64.76 167.84,39.04 v1(168.04,38.85) 167.84,38.65 167.84,14.15 v1(168.55,13.45) ; 167.84,64.76 v1(167.02,64.76) ; v1(60.85,14.02) 61.34,14.51 61.34,39.36 ; 61.34,39.36 61.29,39.36 v1(60.82,38.88)
  In2.Cu w0.25: v1(139.59,12.43) 140.61,13.45 v1(168.55,13.45)
  Bottom w0.25: v1(60.85,63.74) 60.85,64.41 61.27,64.82 Q21.2 ; U17.12 40.44,60.19 41.04,60.79 v1(41.56,60.79) ; v1(168.04,38.85) 168.04,39.58 Q66.2 ; Q48.2 166.96,89.71 v1(167.02,89.65) ; v1(60.85,77.85) 61.2,78.2 64.8,78.2 65.46,78.86 104.63,78.86 105.31,78.19 118.53,78.19 120.73,80.39 155.94,80.39 156.63,79.69 165.5,79.69 v1(167.17,81.37) ; Q57.2 166.96,64.82 v1(167.02,64.76) ; Q84.2 139.15,11.99 v1(139.59,12.43) ; v1(50.18,56.12) v1(60.85,56.12) ; v1(60.82,38.88) Q30.2 ; v1(60.85,88.63) 60.85,88.7 Q15.2 ; v1(60.85,14.02) Q39.2 ; v1(168.55,13.45) 168.55,14.02 Q75.2
DIG_7: length 326.7
  Top w0.25: 157.7,81.01 157.7,88.28 v1(157.35,88.63) ; 157.7,81.01 157.57,81.01 v1(157.35,80.8) ; 157.7,81.01 157.7,63.23 ; v1(50.69,34.78) 51.2,35.29 51.2,40.88 ; 51.2,79.49 51.2,65.77 ; 51.2,79.49 51.2,88.63 v1(50.18,89.65) ; 51.2,79.49 50.91,79.49 v1(50.69,79.27) ; 51.2,65.77 51.2,40.88 ; 51.2,65.77 50.69,65.27 v1(50.69,65.26) 50.18,64.76 v1(46.81,64.76) ; 51.2,40.88 51.2,16.5 v1(52.22,15.48) ; v1(156.86,12.43) 156.96,12.43 v1(159.5,14.97) 159.5,21.06 157.7,22.86 157.7,35.76 159.47,37.53 159.47,38.85 ; 159.47,38.85 159.12,39.2 v1(159.12,39.36) ; 159.47,38.85 159.47,46.9 157.7,48.67 157.7,63.23 ; 157.7,63.23 157.35,63.58 v1(157.35,63.74)
  In2.Cu w0.25: v1(143.15,12.43) v1(156.86,12.43)
  Bottom w0.25: v1(52.22,15.48) 52.59,15.1 Q37.2 ; Q19.2 51.13,64.82 v1(50.69,65.26) ; v1(159.12,39.36) 161.53,39.36 Q64.2 ; Q82.2 142.71,11.99 v1(143.15,12.43) ; U17.11 41.71,59.66 v1(46.81,64.76) ; v1(50.18,89.65) 50.25,89.71 Q14.2 ; Q46.2 157.35,89.03 v1(157.35,88.63) ; v1(159.5,14.97) 159.94,14.53 Q73.2 ; Q55.2 157.35,64.29 v1(157.35,63.74) ; Q28.2 54.76,38.85 v1(50.69,34.78) ; v1(50.69,79.27) 51.04,79.62 52.49,79.62 53.16,78.96 64.48,78.96 65.15,79.62 104.98,79.62 105.66,78.94 118.22,78.94 120.42,81.14 156.73,81.14 157.08,80.8 v1(157.35,80.8)
